# Altium PCB 400150.PcbDoc (part 3 of 3)
Units mil, origin at the board's own origin, x right, y up, seen from the top; angles counter-clockwise.
Board outline 4000 x 2500 mil, 4 copper layers (Top Layer, Mid-Layer 1, Mid-Layer 2, Bottom Layer), stack 62.293 mil thick; 207 components, 157 nets, 929 pads, 624 vias.
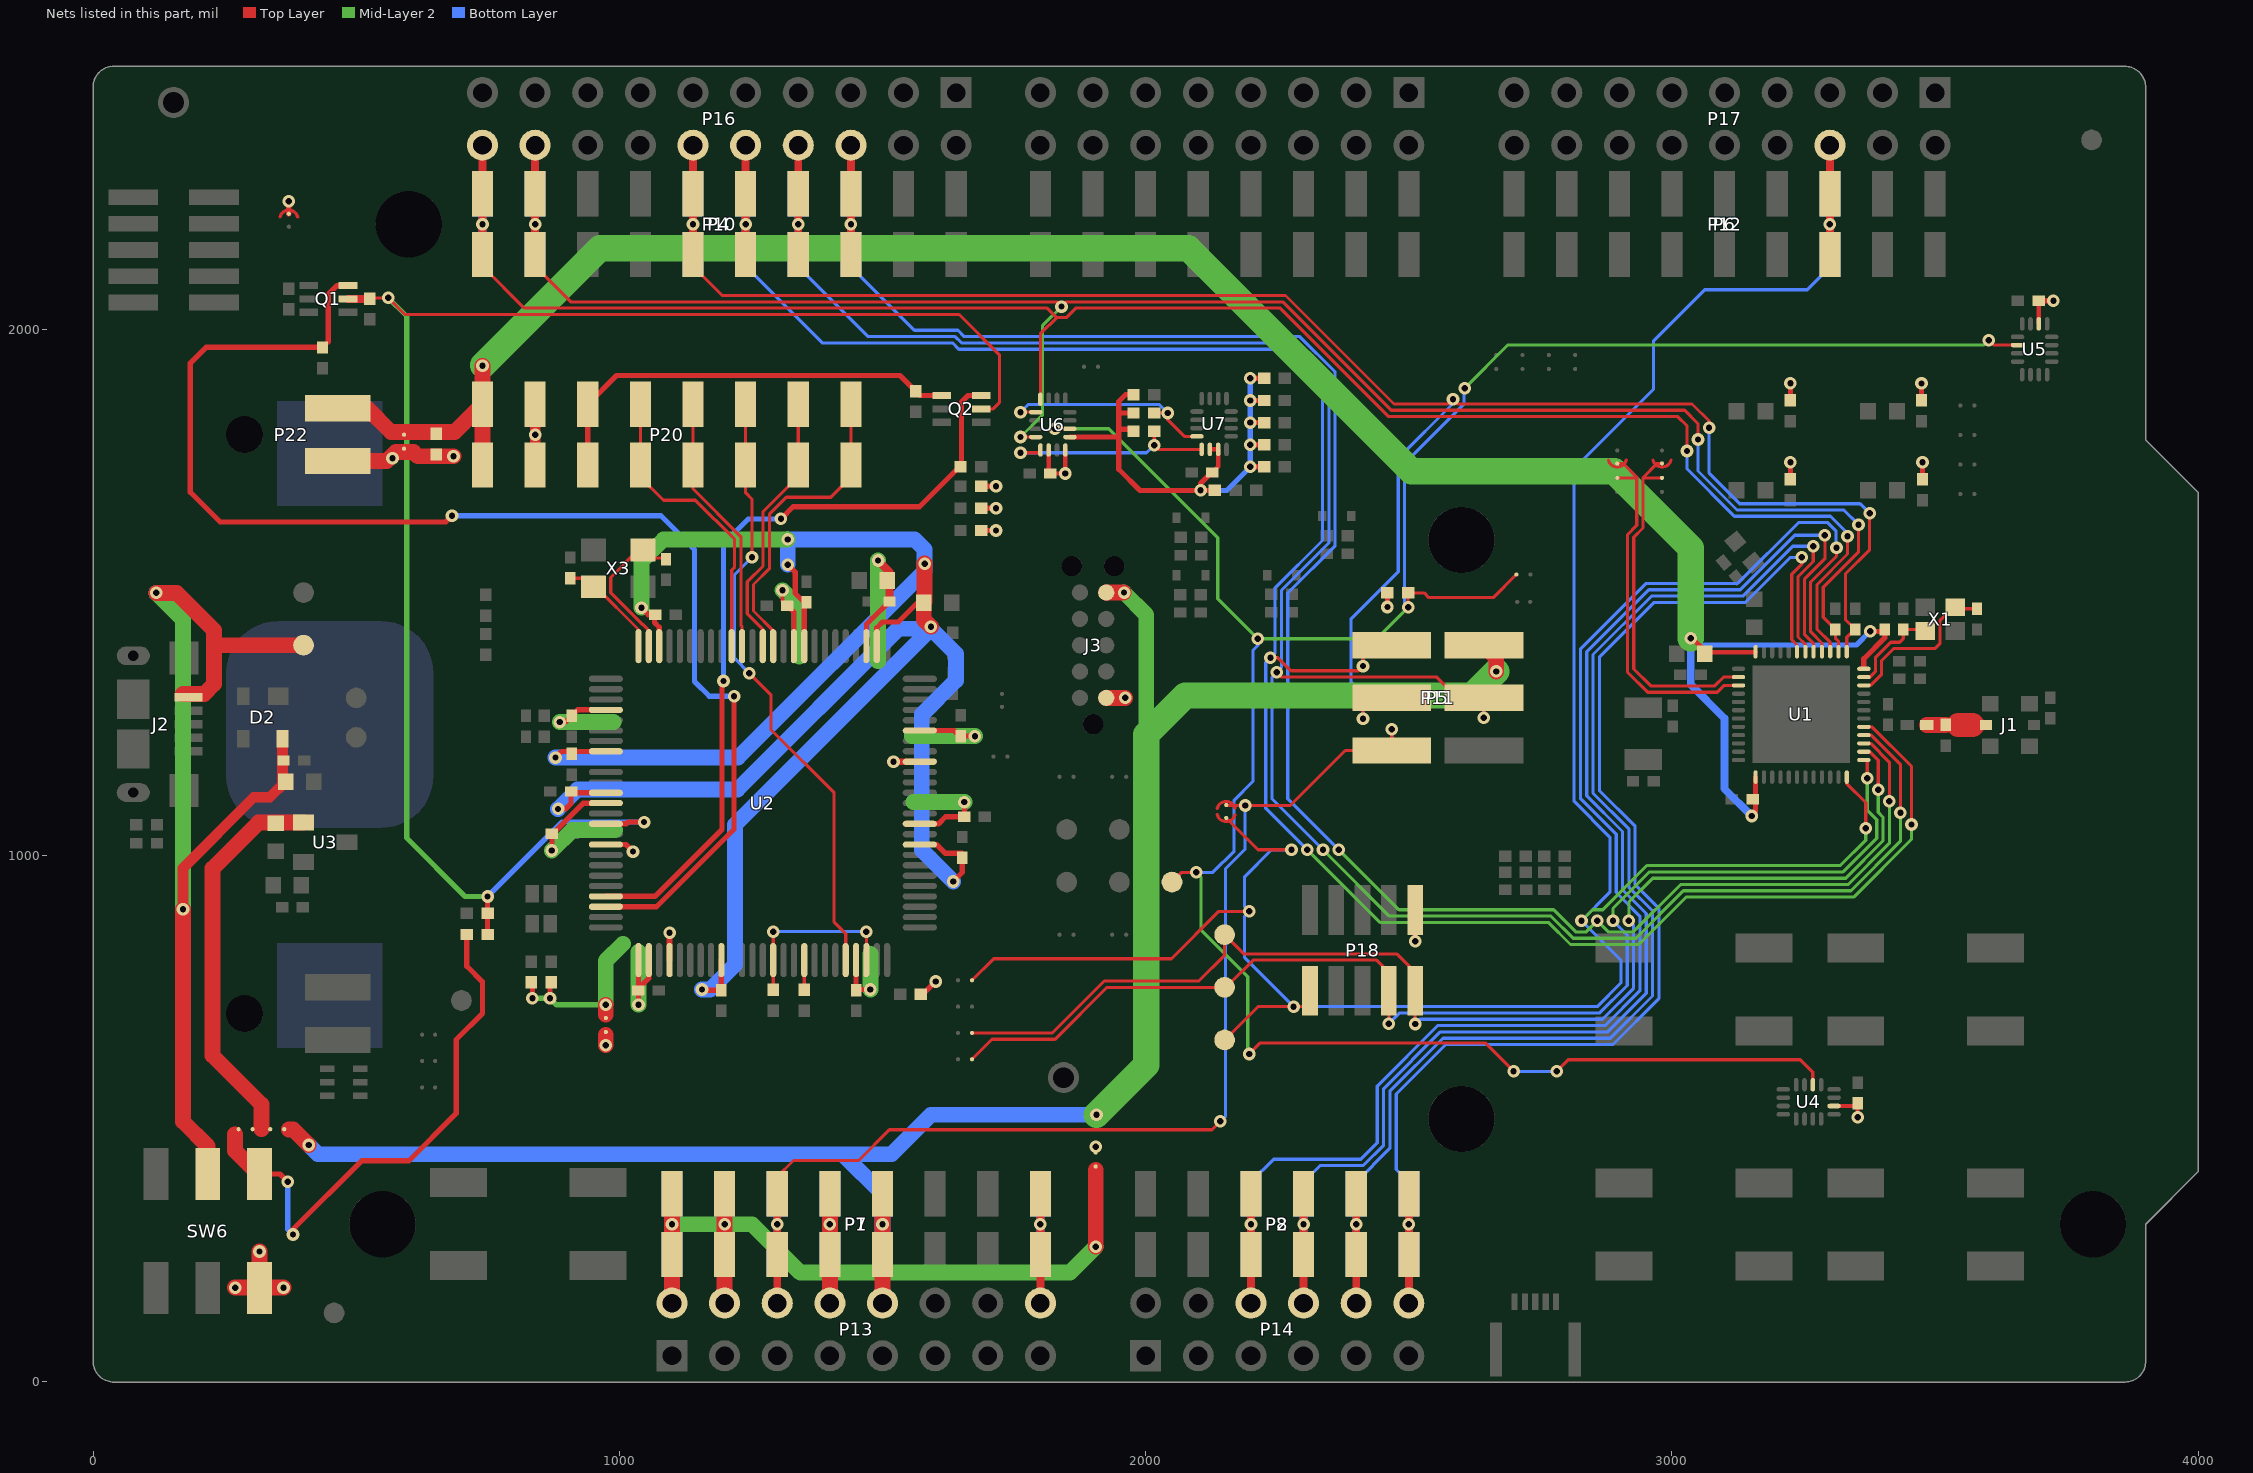
[diagram p5: the nets of this part, all layers, seen from the top]

## Via types
v1: diameter 24, hole 12, Top Layer to Bottom Layer, tented both sides, 587 vias
v2: diameter 24, hole 12, Top Layer to Bottom Layer, 21 vias
v3: diameter 25.98, hole 12.99, Top Layer to Bottom Layer, tented both sides, 16 vias

## Nets (pads, with @x,y where several pads share a name; then routed paths per layer and width w, separated by ;. In a path a pad name is that pad's centre, name@x,y a point inside that pad or via, vN(x,y) a via of type N, cw(c..) or ccw(c..) an arc to the next point about the centre after c; other vN are vias at no path point) (continued)
P0.21: P6.3 P12.3 P17.6 P18.10 SB17.2 SB27.1 TP11.1 U1.24 | length 4804.7
  Top Layer w6: SB27.1@1670.02,763 1711.02,804 2049,804 2139,894 v1(2197,894) ; TP11.1@2150,649.6 2213.4,713 v1(2281,713) P18.10@2312,713 ; SB17.2@2153,1071.4 2213.4,1011 v1(2277,1011) ; U1.24@3332.08,1149.07 3332.08,1136.61 3368,1100.69 v1(3368,1052)
  Top Layer w15: P6.3@3300,2141.92 v1(3300,2199.6) P6.3@3300,2257.28 P17.6@3300,2349.6
  Mid-Layer 2 w6: v1(2828,876) 2849,897 2868.31,897 2952.31,981 3320,981 3368,1029 v1(3368,1052)
  Bottom Layer w6: v1(2277,1011) 2239,1011 2188,960 2188,903 v1(2197,894) 2188,885 2188,806 v1(2281,713) 2858.03,713 2903,757.97 2903,801 v1(2828,876) 2882,930 2882,1035 2814,1103 2814,1735.31 2965,1886.31 2965,1978.04 3061.96,2075 3257,2075 3300,2118 P12.3@3300,2141.92
  Bottom Layer w15: P12.3@3300,2141.92 v1(3300,2199.6) P12.3@3300,2257.28
P0.22: P4.3 P10.3 P16.6 U1.27 | length 3780
  Top Layer w6: U1.27@3364.56,1213.04 3377.32,1213.04 3413,1177.36 v1(3413,1103.03)
  Top Layer w15: P4.3@1440,2118.6 v1(1440,2199.6) P4.3@1440,2257.28 P16.6@1440,2349.6
  Mid-Layer 2 w6: v1(2367,1011) 2481,897 2775,897 2817,855 2837,855 v1(2858,876) 2879,855 2926.74,855 3016.74,945 3335,945 3413,1023 v1(3413,1103.03)
  Bottom Layer w6: P10.3@1440,2141.92 1440,2118.6 1560.6,1998 1643.38,1998 1655.38,1986 2292.62,1986 2360,1918.62 2360,1799 ; 2360,1806.16 2360,1588.73 2270,1498.73 2270,1107.88 v1(2367,1011)
  Bottom Layer w15: P10.3@1440,2141.92 v1(1440,2199.6) P10.3@1440,2257.28
P0.23: P4.4 P5.4 P10.4 P11.4 P16.8 U1.28 | length 4457.1
  Top Layer w6: v1(2249,1348) 2258,1339 2553,1339 2592.4,1299.6 P5.4@2642.5,1299.6 v1(2642.5,1261.6) ; U1.28@3364.56,1228.79 3378.54,1228.79 3434,1173.33 v1(3434,1081.03)
  Top Layer w15: P4.4@1340,2118.6 v1(1340,2199.6) P4.4@1340,2257.28 P16.8@1340,2349.6
  Mid-Layer 2 w6: v1(2337,1011) 2463,885 2770.03,885 2812.03,843 2931.71,843 3021.71,933 3340.03,933 3434,1026.97 v1(3434,1081.03)
  Bottom Layer w6: P10.4@1340,2141.92 1340,2118.6 1472.6,1986 1638,1986 1650,1974 2287.65,1974 2348,1913.65 2348,1799 ; v1(2337,1011) 2240,1108 2240,1339 v1(2249,1348) 2258,1357 2258,1503.71 2348,1593.71 2348,1811.14 ; v1(2642.5,1261.6) 2642.5,1299.6 P11.4@2666.22,1299.6
  Bottom Layer w15: P10.4@1340,2141.92 v1(1340,2199.6) P10.4@1340,2257.28
P0.24: P4.5 P5.1 P10.5 P11.1 P16.10 U1.29 | length 4378.7
  Top Layer w6: v1(2237,1376) 2250.82,1376 2275.82,1351 2404,1351 v1(2413,1360) P5.1@2413,1399 ; U1.29@3364.56,1244.54 3379.76,1244.54 3455,1169.3 v1(3455,1059.03)
  Top Layer w15: P4.5@1240,2119.6 v1(1240,2199.6) P4.5@1240,2257.28 P16.10@1240,2349.6
  Mid-Layer 2 w6: v1(2307,1011) 2445,873 2765.06,873 2807.06,831 2936.68,831 3026.68,921 3345,921 3455,1031 v1(3455,1059.03)
  Bottom Layer w6: P10.5@1240,2141.92 1240,2119.6 1385.6,1974 1633.03,1974 1645.03,1962 2282.68,1962 2336,1908.68 2336,1799 ; v1@2237,1375 v1(2237,1376) ; v1(2307,1011) 2228,1090 2228,1367 v1(2237,1376) ; 2336,1816.11 2336,1598.68 2246,1508.68 2246,1385 v1(2237,1376) ; v1(2413,1360) P11.1@2413,1400
  Bottom Layer w15: P10.5@1240,2141.92 v1(1240,2199.6) P10.5@1240,2257.28
P0.25: C52.1 P4.6 P5.3 P10.6 P11.3 P16.12 U1.37 | length 3921.4
  Top Layer w6: P4.6@1140,2119.6 1195.6,2064 2265.71,2064 2471.71,1858 2575,1858 v1(2584,1867) 2593,1858 3038,1858 3070.46,1825.54 v1(3070.46,1812.54) ; v1(2413,1260) P5.3@2413,1298 ; U1.37@3332.08,1387.25 3332.08,1414.79 C52.1@3347.62,1430.32 ; C52.1@3348.46,1429.48 C52.1@3347.62,1430.32 ; v1(3375.46,1650.54) 3375.46,1580.89 3329.46,1534.89 3329.46,1448.48 C52.1@3347.62,1430.32
  Top Layer w15: P4.6@1140,2119.6 v1(1140,2199.6) P4.6@1140,2257.28 P16.12@1140,2349.6
  Bottom Layer w6: v1(2413,1260) P11.3@2413,1298 ; P11.3@2420.19,1299.6 P11.3@2443.78,1299.6 2420.4,1299.6 2390,1330 2390,1449 2480,1539 2480,1754.87 2584,1858.87 v1(2584,1867) ; v1(3070.46,1812.54) 3070.46,1726.51 3128.44,1668.54 3357.46,1668.54 v1(3375.46,1650.54)
  Bottom Layer w15: P10.6@1140,2141.92 v1(1140,2199.6) P10.6@1140,2257.28
P0.26: C53.1 P4.9 P10.9 P16.18 U1.38 U6.12 | length 3713.5
  Top Layer w6: P4.9@840,2119.6 907.6,2052 1831,2052 v1(1840,2043) 1849,2052 2260.68,2052 2466.68,1846 3024,1846 3049.46,1820.54 v1(3049.46,1790.54) ; v1(1762.14,1795.15) U6.12@1791.14,1795.15 ; U1.38@3316.33,1387.25 3316.33,1407.29 3310.46,1413.17 C53.1@3310.46,1429.48 3287.46,1452.48 3287.46,1509.86 3354.46,1576.87 v1(3354.46,1628.54)
  Top Layer w15: P4.9@840,2119.6 v1(840,2199.6) P4.9@840,2257.28 P16.18@840,2349.6
  Mid-Layer 2 w6: v1(1762.14,1795.15) 1804.31,1837.31 1804.31,2007.31 v1(1840,2043)
  Bottom Layer w6: v1(3049.46,1790.54) 3049.46,1730.54 3123.46,1656.54 3326.46,1656.54 v1(3354.46,1628.54)
  Bottom Layer w15: P10.9@840,2141.92 v1(840,2199.6) P10.9@840,2257.28
P0.27: P4.10 P10.10 P16.20 U1.39 U6.8 | length 3639.1
  Top Layer w6: P4.10@740,2119.6 819.6,2040 1812.82,2040 1830.82,2022 ; U6.8@1800,1867 1800,1991.18 1830.82,2022 ; v1(3028.46,1768.54) 3028.46,1816.54 3011,1834 2461.71,1834 2255.71,2040 1867,2040 1849,2022 1830.82,2022 ; U1.39@3300.58,1387.25 3300.58,1404.98 3275.46,1430.1 3275.46,1514.83 3333.46,1572.84 v1(3333.46,1606.54)
  Top Layer w15: P4.10@740,2119.6 v1(740,2199.6) P4.10@740,2257.28 P16.20@740,2349.6
  Bottom Layer w6: v1(3028.46,1768.54) 3028.46,1734.56 3118.49,1644.54 3301.13,1644.54 3333.46,1612.2 v1(3333.46,1606.54)
  Bottom Layer w15: P10.10@740,2141.92 v1(740,2199.6) P10.10@740,2257.28
P0.28: P2.3 P8.3 P14.6 U1.40 | length 2844.9
  Top Layer w6: U1.40@3284.83,1387.25 3284.83,1403.75 3263.46,1425.13 3263.46,1519.8 3312.46,1568.81 v1(3312.46,1584.54)
  Top Layer w15: P14.6@2200,149.6 P2.3@2200,241.92 v1(2200,299.6) P2.3@2200,357.28
  Bottom Layer w6: P8.3@2200,357.28 2200,380 2243,423 2408.68,423 2440,454.32 2440,562 2555,677 2872.94,677 2939,743.06 2939,884.82 2894,929.82 2894,1040.76 2826,1108.76 2826,1392 2951,1517 3124.7,1517 3240.23,1632.54 3296.16,1632.54 3311.46,1617.23 3311.46,1585.54 v1(3312.46,1584.54)
  Bottom Layer w15: P8.3@2200,241.92 v1(2200,299.6) P8.3@2200,357.28
P0.29: P2.4 P8.4 P14.8 U1.41 | length 2689.6
  Top Layer w6: U1.41@3269.09,1387.25 3269.09,1402.53 3251.46,1420.16 3251.46,1524.77 3290.46,1563.78 v1@3290.46,1605.54
  Top Layer w15: P14.8@2300,149.6 P2.4@2300,241.92 v1(2300,299.6) P2.4@2300,357.28
  Bottom Layer w6: P8.4@2300,379.6 2331.4,411 2413.68,411 2452,449.32 2452,557 2560,665 2877.91,665 2951,738.09 2951,889.79 2906,934.79 2906,1045.74 2838,1113.74 2838,1386.94 2956.06,1505 3129.67,1505 3233.2,1608.54 v1(3290.46,1608.54)
  Bottom Layer w15: P8.4@2300,241.92 v1(2300,299.6) P8.4@2300,379.6
P0.30: P2.5 P8.5 P14.10 U1.42 | length 2536.6
  Top Layer w6: U1.42@3253.34,1387.25 3253.34,1401.31 3239.46,1415.19 3239.46,1529.74 3268.46,1558.75 v1(3268.46,1587.54) v1@3268.46,1588.54
  Top Layer w15: P14.10@2400,149.6 P2.5@2400,241.92 v1(2400,299.6) P2.5@2400,357.28
  Bottom Layer w6: P8.5@2400,379.6 2464,443.6 2464,552.03 2564.97,653 2882.88,653 2963,733.12 2963,894.76 2918,939.76 2918,1050.71 2850,1118.71 2850,1381.97 2961.03,1493 3134.64,1493 3229.17,1587.54 v1(3268.46,1587.54)
  Bottom Layer w15: P8.5@2400,241.92 v1(2400,299.6) P8.5@2400,379.6
P0.31: P2.6 P8.6 P14.12 U1.43 | length 2446.7
  Top Layer w6: U1.43@3237.59,1387.25 3237.59,1400.09 3227.46,1410.22 3227.46,1534.71 3246.46,1553.72 v1(3246.46,1566.54)
  Top Layer w15: P14.12@2500,149.6 P2.6@2500,241.92 v1(2500,299.6) P2.6@2500,357.28
  Bottom Layer w6: P8.6@2500,357.28 2500,379.6 2476,403.6 2476,547.06 2569.94,641 2887.85,641 2975,728.15 2975,899.73 2930,944.73 2930,1055.68 2862,1123.68 2862,1377 2966,1481 3139.61,1481 3225.15,1566.54 v1(3246.46,1566.54)
  Bottom Layer w15: P8.6@2500,241.92 v1(2500,299.6) P8.6@2500,357.28
PB5: Q2.3 R10.2 U2.97 | length 1490
  Top Layer w10: U2.97@974.38,922.43 1067.83,922.43 1195,1049.6 1195,1328.6 v1(1198,1331.6) ; v1(1307,1639.6) 1330,1662.6 1570.28,1662.6 R10.2@1645.75,1738.07 ; R10.2@1650,1739.77 1650,1861.6 1662.59,1874.19 Q2.3@1687.4,1874.19
  Bottom Layer w10: v1(1198,1331.6) 1198,1592.6 1245,1639.6 v1(1307,1639.6)
PB6: Q1.3 R11.2 U2.98 | length 2568
  Top Layer w10: R11.2@436,1965.29 R11.2@436.31,1965.6 ; Q1.3@484.4,2083.19 463.59,2083.19 447,2066.6 447,1976.29 R11.2@436.31,1965.6 ; v1(682,1645.6) 670,1633.6 241.68,1633.6 185,1690.28 185,1935.6 215,1965.6 R11.2@436.31,1965.6 ; U2.98@974.38,902.75 1070.78,902.75 1218,1049.97 v1(1218,1302.6) ; v1@1221,1302.6 v1@1221,1304.6
  Bottom Layer w10: v1(682,1645.6) 1079,1645.6 1143,1581.6 1143,1330.6 1171,1302.6 v1@1217,1302.6
RESET_PIN: P1.3 P5.5 P7.3 P11.5 P13.6 SB17.1 | length 2297.9
  Top Layer w6: P1.3@1300,357.28 1300,389.6 1331,420.6 1454.6,420.6 1513,479 2126,479 v1(2142,495) ; SB17.1@2154,1095 2167.61,1095 v1(2189,1095) 2274.9,1095 2379.5,1199.6 P5.5@2467.5,1199.6 ; P5.5@2467.69,1199.79 v1(2467.69,1240)
  Top Layer w15: P13.6@1300,149.6 P1.3@1300,241.92 v1(1300,299.6) P1.3@1300,357.28
  Bottom Layer w6: v1(2142,495) 2152,505 2152,975.32 2189,1012.32 v1(2189,1095) ; P11.5@2467.69,1199.6 v1(2467.69,1240)
  Bottom Layer w15: P7.3@1300,241.92 v1(1300,299.6) P7.3@1300,357.28
RF: C13.1 J1.1 L1.2 | length 62.9
  Top Layer w20: C13.1@3519.87,1248.16 C13.1@3520,1248.29
  Top Layer w30: L1.2@3484.17,1248.16 C13.1@3519.87,1248.16
  Top Layer w45: 3543.87,1248.16 3570.87,1248.16
SCL_EXT: R30.1 U6.9 U7.12 | length 428.2
  Top Layer w6: v1(1762.14,1842.39) U6.9@1791.14,1842.39 ; R30.1@2016.31,1840.77 v1(2041.94,1840.77) 2041.94,1828 2073.56,1796.38 U7.12@2097.45,1796.38
  Bottom Layer w6: v1(1762.14,1842.39) 1776.52,1856.77 2025.39,1856.77 ; 2025.71,1857 v1(2041.94,1840.77)
SDA_EXT: R29.1 U6.13 U7.13 | length 417.5
  Top Layer w6: v1(1762.14,1765.15) U6.13@1800.14,1765.15 ; R29.1@2016.31,1805.77 v1(2016.31,1779.77) 2024.31,1771.77 U7.13@2106.31,1771.77
  Bottom Layer w6: v1(1762.14,1765.15) 2001.68,1765.15 v1(2016.31,1779.77)
SH_GND_DETECT: P20.8 U2.62 | length 601.1
  Top Layer w6: U2.62@1292.29,1397.83 1292.29,1427.31 1255,1464.6 1255,1514.92 1285,1544.92 1285,1648.2 1317.4,1680.6 1402,1680.6 1440,1718.6 P20.8@1440,1857.28
SH_RESET: P20.7 U2.63 | length 511.9
  Top Layer w6: U2.63@1272.61,1397.83 1272.61,1430.02 1243,1459.63 1243,1519.89 1273,1549.89 1273,1653.2 1340,1720.2 P20.7@1340,1741.92 P20.7@1340,1857.28
SH_SWDCLK: P20.5 U2.65 | length 498.1
  Top Layer w6: P20.5@1140,1857.28 1140,1696.6 1231,1605.6 1231,1437.69 1233.24,1435.45 U2.65@1233.24,1397.83
SH_SWDIO: P20.4 U2.66 | length 567.7
  Top Layer w6: P20.4@1040,1741.92 1040,1718.88 1083.84,1675.04 1144.56,1675.04 1219,1600.6 1219,1548.04 1213.55,1542.59 U2.66@1213.55,1397.83 ; P20.4@1040,1745.6 P20.4@1040,1857.28
SH_SWO: P20.6 U2.21 | length 1162
  Top Layer w6: P20.6@1240,1857.28 P20.6@1240,1741.92 1240,1689.04 1252,1677.04 v1(1252,1566.92) ; v1(1247,1346.6) 1288,1305.6 1288,1239.57 1408,1119.57 1408,873.6 1430.09,851.51 U2.21@1430.09,801.37
  Bottom Layer w6: v1(1247,1346.6) 1219,1374.6 1219,1533.92 v1(1252,1566.92)
SH_VTG: P20.3 Q2.4 R9.1 | length 941.6
  Top Layer w6: P20.3@940,1741.92 P20.3@940,1857.28
  Top Layer w10: P20.3@940,1741.92 P20.3@940,1857.28 994.72,1912 1533.28,1912 R9.1@1563,1882.29 1571.09,1874.19 Q2.4@1612.6,1874.19
SHIELD_DETECT: R39.1 SB19.2 TP15.1 U4.2 U5.2 U6.2 | length 4866.8
  Top Layer w6: v1(1827.52,1810.9) U6.2@1856.1,1810.9 ; TP15.1@2050,949.6 2068.4,968 v1(2096,968) ; v1(2197,623) 2218,644 2644.99,644 v1(2699,590) ; v1(2499,1472) 2498.69,1472.31 R39.1@2498.69,1499 2529,1499 2538,1490 2660.4,1490 SB19.2@2704.4,1534 ; v1(2781,590) 2803,612 3243.66,612 3267.54,588.12 U4.2@3267.54,564.48 ; v1(3602,1979) 3611,1970 3656.39,1970 U5.2@3656.52,1969.87
  Mid-Layer 2 w6: v1(1827.52,1810.9) 1930.1,1810.9 2137,1604 2137,1488 v1(2213,1412) 2439,1412 v1(2499,1472) ; v1(2096,968) 2105,959 2105,859 2194,770 2194,626 v1(2197,623) ; v1(2606,1888) 2688,1970 3593,1970 v1(3602,1979)
  Bottom Layer w6: v1(2096,968) 2127.71,968 2168,1008.29 2168,1105 2204,1141 2204,1390 2213,1399 v1(2213,1412) ; v1(2499,1472) 2492,1479 2492,1745.3 2605,1858.3 2605,1887 v1(2606,1888) ; v1(2699,590) v1(2781,590)
SWDCLK: P18.4 SB21.1 TP10.1 U1.25 | length 2327.9
  Top Layer w6: SB21.1@1670.02,613 1708.02,651 1827.97,651 1926.57,749.6 TP10.1@2150,749.6 2152.6,749.6 2204.23,801.23 2438.77,801.23 2462,778 P18.4@2462,746.23 ; v1(2462,680.23) P18.4@2462,743 ; v1(3371,1147.03) U1.25@3371,1182.03
  Mid-Layer 2 w6: v1(2888,876) 2888,899.69 2957.31,969 3325.03,969 3389,1032.97 3389,1068 3371,1086 v1(3371,1147.03)
  Bottom Layer w6: v1(2462,680.23) 2482.77,701 2863,701 2915,753 2915,849 v1(2888,876)
SWDIO: P18.2 SB20.1 TP9.1 U1.26 | length 2399
  Top Layer w6: SB20.1@1670.02,663 1823,663 1921.6,761.6 2101,761.6 2150,810.6 TP9.1@2150,849.6 ; TP9.1@2150.3,849.3 2186.37,813.23 2476.77,813.23 2512,778 P18.2@2512,746.23 ; v1(2512,680) P18.2@2512,743 ; U1.26@3364.56,1197.29 3375.97,1197.29 3392,1181.26 v1(3392,1125.03)
  Mid-Layer 2 w6: v1(2918,876) 2918,911.69 2963.31,957 3330.03,957 3401,1027.97 3401,1072.97 3392,1081.97 v1(3392,1125.03)
  Bottom Layer w6: v1(2512,680) 2521,689 2867.97,689 2927,748.03 2927,867 v1(2918,876)
TCKOUT: R16.1 U2.14 U2.23 | length 329.6
  Top Layer w6: 1292.29,756.97 U2.14@1292.29,801.37 v1(1292.29,855.37) ; v1(1469.29,855.37) 1469.29,801.84 1469.61,801.52 U2.23@1469.46,801.37
  Bottom Layer w6: v1(1292.29,855.37) v1(1469.29,855.37)
TMSOUT: R15.1 U2.17 | length 56.7
  Top Layer w6: R15.1@1351.35,744.69 U2.17@1351.35,801.37
USB_DETECT: Q1.2 Q2.2 R7.1 R44.1 R45.2 U2.90 | length 3155.5
  Top Layer w6: R7.1@526,2058.29 527.32,2059.6 v1(561,2059.6) 592.6,2028 1645.6,2028 1722.17,1951.43 1722.17,1860.64 1710.13,1848.6 Q2.2@1687.4,1848.6
  Top Layer w10: R44.1@749.69,850 v1(749.69,922.29) ; U2.90@974.38,1060.23 1013.1,1060.23 1016.47,1063.6 v1(1047,1063.6)
  Top Layer w15: Q1.2@484.4,2057.6 R7.1@525.32,2057.6
  Mid-Layer 2 w10: v1(561,2059.6) 596,2024.6 596,1033.4 707.11,922.29 v1(749.69,922.29)
  Bottom Layer w10: v1(749.69,922.29) 891,1063.6 v1(1047,1063.6)
V5V: J3.5 P1.5 P5.2 P7.5 P11.2 P13.10 SB34.1 | length 4011.9
  Top Layer w30: 372.5,479.55 380.45,479.55 v1(410,450) ; P13.10@1500,149.6 P1.5@1500,241.92 v1(1500,299.6) P1.5@1500,357.28 ; J3.5@1925,1499.6 v1@1958,1499.6 ; P5.2@2642.5,1399.6 2666.22,1375.88 v1(2666.22,1349.82)
  Mid-Layer 2 w30: v1(1959,1499.6) 2001,1457.6 2001,1138
  Mid-Layer 2 w50: v1(1906.6,507.6) 2001,602 2001,1230 2075,1304 2620.4,1304 v1(2666.22,1349.82)
  Bottom Layer w30: v1(410,450) 427.4,432.6 1424.68,432.6 ; P7.5@1500,241.92 v1(1500,299.6) P7.5@1500,357.28 1424.68,432.6 ; v1(1906.6,507.6) 1592,507.6 1517,432.6 1424.68,432.6 ; v1(2666.22,1349.82) P11.2@2666.22,1399.6
VBUS: C20.2 C21.2 D2.4 J2.1 SW6.5 TP3.1 | length 2047.6
  Top Layer w20: v1(171,898) 171,976 305.6,1110.6 336.03,1110.6 C20.2@366.03,1140.6 ; C20.2@360.01,1137.61 D2.4@360.01,1222.25
  Top Layer w30: v1(120,1499) 159,1499 230,1428 230,1325.76 211.24,1307 J2.1@171,1307 ; v1(171,898) 171,494.6 218,447.6 SW6.5@218,394.87 ; 231.4,1399.6 TP3.1@400,1399.6
  Mid-Layer 2 w30: v1(120,1499) 171,1448 v1(171,898)
VBUS': R44.2 SB33.1 SW6.6 | length 1044.6
  Top Layer w10: SW6.6@313.71,394.87 SW6.6@316.43,394.87 355.13,394.87 v1(370,380) ; v1(380,280) 380,290 510,420 600,420 690,510 690,650 740,700 740,760 710.31,789.69 R44.2@710.31,850
  Top Layer w30: 269.65,470.45 269.65,438.93 SW6.6@313.71,394.87
  Bottom Layer w10: v1(370,380) 370,290 v1(380,280)
VCORE: C25.2 C27.2 C31.2 C34.2 C36.1 C39.2 C40.2 U2.9 U2.34 U2.52 U2.59 U2.73 U2.83 U2.87 | length 4851.6
  Top Layer w10: v1(878.61,1186.13) 890.08,1197.6 U2.83@973.95,1197.6 ; v1(883.61,1088.6) 897.71,1088.6 908.29,1099.18 C40.2@908.29,1121.6 ; C40.2@914.96,1119.28 U2.87@974.38,1119.28 ; v1(1042,1470.6) 1055,1457.6 C36.1@1066.96,1457.6 ; C36.1@1067.92,1457.6 C36.1@1066.96,1457.6 ; U2.73@1075.76,1397.83 1075.76,1433.84 1066.96,1442.64 C36.1@1066.96,1457.6 ; v1(1157,745.6) 1158.31,744.28 C25.2@1193.61,744.28 ; C25.2@1193.87,745.27 U2.9@1193.87,801.37 ; v1(1320,1552.6) 1331,1541.6 1334,1538.6 1334,1498.24 1340,1492.24 C34.2@1353.46,1478.77 ; U2.59@1351.35,1397.83 1351.35,1476.65 C34.2@1353.46,1478.77 ; C34.2@1355.61,1480.91 C34.2@1353.46,1478.77 ; U2.52@1489.14,1397.83 1489.14,1432.71 1500.03,1443.6 1530,1443.6 1567,1480.6 C31.2@1578.43,1480.6 ; U2.34@1570.83,1020.86 1602.35,1020.86 1618.61,1004.6 C27.2@1649.94,1004.6 ; v1(1634.61,950.6) 1651.61,967.6 C27.2@1651.61,995.91 ; C27.2@1650.92,998.28 C27.2@1650.92,1004.6
  Top Layer w30: v1(1580,1554.6) 1580,1482.18 C31.2@1578.43,1480.6 1578.42,1448.18 v1(1592,1434.6)
  Mid-Layer 2 w30: v1(1042,1470.6) 1042,1558.6 1084,1600.6 v1(1320,1600.6)
  Bottom Layer w30: v1(878.61,1186.13) 1225.53,1186.13 1580,1540.6 v1(1580,1554.6) 1580,1581.6 1561,1600.6 v1(1320,1600.6) v1(1320,1552.6) ; v1(883.61,1088.6) 920.61,1125.6 1224.61,1125.6 1530,1430.99 v1@1592,1430.99 ; v1(1157,745.6) 1172.61,745.6 1219.61,792.6 1219.61,1058.6 v1@1592,1430.99 ; v1(1634.61,950.6) 1574.61,1010.6 1574.61,1267.76 1639.61,1332.76 1639.61,1383.39 v1@1592,1430.99
VDD: C44.2 C45.2 C46.2 J3.1 P18.1 P20.2 P22.2 R1.2 R2.2 R3.2 R4.2 R5.2 R6.1 R21.2 R22.2 R23.2 R39.2 SB9.2 SB29.2 SB32.1 SB35.2 SW6.3 U4.14 U5.14 U6.14 U6.16 | length 1203.3
  Top Layer w6: P20.2@840,1728.6 P20.2@840,1741.92
  Top Layer w8: C46.2@1812.75,1730.34 1817.15,1725.94 C46.2@1817.31,1725.78 ; C46.2@1815.75,1729.02 U6.14@1815.75,1770.54 ; C46.2@1818.99,1725.77 v1(1846.99,1725.77) ; v1@1847.24,1725.77 U6.16@1847.24,1770.54 ; U4.14@3307.89,524.13 3352.47,524.13 C44.2@3352.66,524.31 ; v1(3352.66,503) C44.2@3352.66,524.31 ; C44.2@3352.66,529.32 C44.2@3352.66,524.31 ; C45.2@3696.69,2054 3696.87,2053.81 U5.14@3696.87,2010.23
  Top Layer w10: SB32.1@372,2219.3 372,2226.17 v1(372,2243) ; R5.2@1572.69,736.6 1577,736.6 v1(1601,760.6) ; R21.2@1687.53,1617.6 v1(1715.69,1617.6) ; R22.2@1687.53,1659.6 v1(1715.69,1659.6) ; R23.2@1687.53,1701.6 v1(1715.69,1701.6) ; v1(2459.31,1472.31) R39.2@2459.31,1499 ; v1(2512,837) P18.1@2512,896.54 ; R3.2@3225.01,1714.68 v1(3225.01,1746.99) ; R1.2@3225.01,1864.68 v1(3225.01,1897.31) ; R2.2@3474.01,1864.68 v1(3474.01,1896.99) ; R4.2@3476.01,1714.68 v1(3476.01,1746.99) ; C45.2@3696.69,2054 v1(3724.69,2054)
  Top Layer w20: P20.2@840,1741.92 P20.2@840,1857.28
  Top Layer w30: v1(270,179.06) v1(362,179.06) ; SW6.3@316.42,176.35 v1(316.42,247.62) ; P22.2@465,1749.6 558,1749.6 575,1766.6 609,1766.6 617,1758.6 v1(685,1758.6) ; v1(974.38,639.78) 974.38,658.78 ; J3.1@1925,1299.6 v1(1961,1299.6)
  other v1: 1905,446.6 569,1754.6 840,1799.6
VDD_NRF: C5.1 C8.1 C9.1 P20.1 P22.1 R6.2 SB9.1 U1.13 U1.36 U1.48 | length 4376.9
  Top Layer w9: v1(3035.62,1412.92) 3038.89,1412.92 3062.2,1389.62 3065.54,1386.27 U1.48@3158.46,1386.27 ; v1(3151.46,1075.16) 3158.85,1082.55 U1.13@3158.85,1149.07
  Top Layer w10: U1.36@3364.46,1355.85 3364.46,1373.99 3404.46,1413.99 C8.1@3404.46,1429.48 ; v1(3376.46,1426.17) 3377.14,1425.48 C8.1@3404.46,1425.48
  Top Layer w15: C9.1@3062.2,1382.92 C9.1@3062.2,1389.62
  Top Layer w30: P22.1@465,1849.6 521,1849.6 566,1804.6 687.32,1804.6 P20.1@740,1857.28 ; P20.1@740,1741.92 P20.1@740,1857.28 ; v1(740,1930.6) P20.1@740,1857.28
  Mid-Layer 2 w50: v1@741,1931.6 963.4,2154 2081,2154 2505,1730 2890,1730 3035.62,1584.38 v1(3035.62,1412.92)
  Bottom Layer w10: v1(3035.62,1412.92) 3048.39,1400.16 3350.45,1400.16 v1(3376.46,1426.17)
  Bottom Layer w15: v1(3035.62,1412.92) 3035.62,1324.82 3099.52,1260.92 3099.52,1127.11 v1(3151.46,1075.16)
VDD_SAM: C24.2 C26.2 C28.2 C29.2 C32.2 C33.2 C35.2 C38.2 C41.2 R19.2 R20.2 SB29.1 U2.1 U2.2 U2.4 U2.22 U2.36 U2.42 U2.45 U2.53 U2.60 U2.79 U2.88 U2.92 | length 2470.3
  Top Layer w6: U2.88@974.38,1099.6 U2.88@981,1099.6
  Top Layer w8: v1(1310,1503.92) 1310,1483.89 C35.2@1319.29,1474.6
  Top Layer w10: v1@834.87,729.6 R20.2@834.87,758.91 ; v1(868.34,728.91) R19.2@868.34,758.91 ; v1@871.92,1009.6 C41.2@871.92,1041.6 ; C41.2@874.92,1042.91 931.61,1099.6 U2.88@974.38,1099.6 ; v1(886.61,1253.6) 897.92,1253.6 C38.2@909.61,1265.29 ; C38.2@909.92,1265.6 921.09,1276.76 U2.79@974.38,1276.77 ; U2.92@974.38,1020.86 1012.63,1020.86 v1(1025.94,1007.54) ; U2.1@1036.39,801.37 1036.39,743.6 1036.44,743.55 v1(1036.44,716.37) ; C24.2@1036.61,747.6 1056.07,767.06 U2.2@1056.07,801.37 ; C35.2@1319.29,1474.6 1331.66,1462.23 U2.60@1331.66,1397.83 ; C26.2@1449.77,752.12 U2.22@1449.77,801.37 ; C26.2@1451.32,745.6 v1(1477,745.6) ; U2.53@1469.46,1397.83 1469.46,1439.45 1479.8,1449.8 1509.18,1479.17 C32.2@1509.18,1482.6 ; U2.36@1570.83,1060.23 1606.24,1060.23 1619.61,1073.6 C28.2@1654.92,1073.6 1655.61,1074.28 v1(1655.61,1101.6) ; U2.42@1570.83,1178.34 U2.42@1571.57,1177.6 ; U2.45@1570.83,1237.39 1635.81,1237.39 C29.2@1643.29,1229.91 ; C29.2@1648.61,1226.91 v1(1675.61,1226.91)
  Top Layer w12: U2.4@1095.44,801.37 v1(1095.44,853.37) ; v1(1520.83,1178.34) U2.42@1570.83,1178.34
  Top Layer w15: v1(1491.61,1560.6) 1513.29,1538.91 C32.2@1513.29,1482.6
  Top Layer w30: 974.38,697.38 v1(974.38,716.38)
  Mid-Layer 2 w10: v1(834.87,728.91) v1(868.34,728.91) 880.87,716.38 v1(974.38,716.38)
  Mid-Layer 2 w30: v1(871.61,1009.6) 910.35,1048.34 991.83,1048.34 ; v1(886.61,1253.6) 988.83,1253.6 ; v1(974.38,716.38) 974.38,799.88 1006.83,832.34 ; v1(1036.44,716.37) 1036.44,817.34 ; v1(1310,1503.92) 1341.83,1472.09 1341.83,1378.34 ; v1(1477,745.6) 1477,813.34 ; 1491.61,1369.34 v1(1491.61,1560.6) ; 1555.83,1226.91 v1(1675.61,1226.91) ; 1558.83,1101.6 v1(1655.61,1101.6)
VEXT: C47.2 R29.2 R30.2 R31.2 R32.2 R33.2 R34.2 R35.2 R36.2 R37.2 U6.1 U7.14 U7.15 | length 1033.9
  Top Layer w8: U7.14@2122.06,1771.77 U7.15@2137.81,1771.77 2137.81,1738.91 C47.2@2126.68,1727.77
  Top Layer w10: U6.1@1856.1,1795.15 1948.94,1795.15 ; R29.2@1976.94,1805.77 1972.94,1809.77 1952.01,1809.77 1948.94,1812.84 ; R30.2@1976.94,1840.77 1948.94,1840.77 ; R31.2@1976.94,1875.77 1962.17,1875.77 1948.94,1862.54 1948.94,1840.77 ; C47.2@2125.99,1728.46 2104.31,1706.77 v1(2104.31,1693.77) ; R37.2@2131.62,1693.77 v1(2104.31,1693.77) ; v1(2198.94,1738.62) R32.2@2225.25,1738.62 ; v1(2198.94,1780.62) R33.2@2225.25,1780.62 ; v1(2198.94,1822.62) R34.2@2225.25,1822.62 ; v1(2198.94,1864.62) R35.2@2225.25,1864.62 ; v1(2198.94,1906.62) R36.2@2225.25,1906.62 ; 1948.94,1795.15 1948.94,1812.84 ; 1948.94,1795.15 1948.94,1734 1989.16,1693.77 v1(2104.31,1693.77) ; 1948.94,1812.84 1948.94,1840.77
  Bottom Layer w10: v1(2104.31,1693.77) 2154.08,1693.77 v1(2198.94,1738.62) v1(2198.94,1780.62) v1(2198.94,1822.62) v1(2198.94,1864.62) v1(2198.94,1906.62)
VIN: P1.8 P7.8 P13.16 | length 323
  Top Layer w15: P13.16@1800,149.6 P1.8@1800,241.92 v1(1800,299.6) P1.8@1800,357.28
  Bottom Layer w15: P7.8@1800,241.92 v1(1800,299.6) P7.8@1800,357.28
VIO: P1.1 P1.2 P1.4 P7.1 P7.2 P7.4 P13.2 P13.4 P13.8 SB35.1 | length 2127.2
  Top Layer w15: v1(1400,299.6) P1.4@1400,357.28
  Top Layer w30: P13.2@1100,149.6 P1.1@1100,241.92 P1.1@1100,357.28 ; P13.4@1200,149.6 v1(1200,299.6) P1.2@1200,357.28 ; P13.8@1400,149.6 P1.4@1400,357.28 ; v1(1905,256.6) 1905,402.6
  Mid-Layer 2 w30: v1(1100,299.6) v1(1200,299.6) 1252,299.6 1344,207.6 1399,207.6 1856,207.6 v1(1905,256.6) ; 1400,208.6 v1(1400,299.6)
  Bottom Layer w30: P7.1@1100,241.92 P7.1@1100,357.28 ; P7.2@1200,241.92 P7.2@1200,357.28 ; P7.4@1400,241.92 P7.4@1400,357.28
VREG_IN: C16.2 SB33.2 SB34.2 U3.1 | length 742.9
  Top Layer w30: 320,480 320,527 227,620 227,975.17 314.43,1062.6 U3.1@400,1062.6
XC1: C1.1 U1.34 X1.1 | length 316.4
  Top Layer w6: U1.34@3364.56,1323.28 3377.32,1323.28 3398.35,1344.32 3398.35,1370.63 3420.88,1393.16 3499.45,1393.16 3509.46,1403.17 3509.46,1447.17 3531.14,1468.85 C1.1@3579.46,1468.85
XC2: C2.1 U1.35 X1.3 | length 186.4
  Top Layer w6: U1.35@3364.56,1339.03 3375.97,1339.03 3386.35,1349.42 3386.35,1375.74 3415.78,1405.16 3432.46,1405.16 3439.45,1412.15 C2.1@3439.45,1429.17 ; C2.1@3437.46,1429.48 3475.12,1429.48 X1.3@3482.99,1421.61
XIN: C22.1 U2.75 X3.3 | length 201.7
  Top Layer w6: C22.1@906.61,1526.91 934.34,1526.91 X3.3@950.6,1510.66 ; X3.3@950.6,1510.54 955.28,1510.54 1036.39,1429.44 U2.75@1036.39,1397.83
XL1: SB2.2 SB4.1 U1.2 | length 673.2
  Top Layer w6: SB2.2@2981,1717.6 2945.4,1717.6 2945,1718 ; SB4.1@2981,1745 2972,1745 2945,1718 ; U1.2@3126.37,1339.03 3097.75,1339.03 3081.1,1322.37 2959.63,1322.37 2927.46,1354.54 2927.46,1604.68 2945,1622.22 2945,1718
XL2: SB1.2 SB3.1 U1.3 | length 693.2
  Top Layer w6: SB1.2@2896,1717.6 2931.6,1717.6 ; SB3.1@2896,1745 2907,1745 2933,1719 2933,1627.19 2915.46,1609.65 2915.46,1348.54 2953.63,1310.37 3086.07,1310.37 3098.98,1323.28 U1.3@3126.37,1323.28
XOUT: C23.1 U2.74 X3.1 | length 294
  Top Layer w6: U2.74@1056.07,1397.83 1056.07,1427.53 1050,1433.6 1044.29,1439.31 1043.48,1439.31 983.61,1499.19 983.61,1528.21 1036.06,1580.66 X3.1@1044.61,1580.66 1059.99,1565.28 C23.1@1088.61,1565.28
pads on no net: Bat1.0 Fid1.0 Fid2.0 J2.4 J2.6@76.53,1119.68 J2.6@76.53,1379.52 J3.0 J3.7 J3.9 P18.7 P18.8 P19.7 P19.8 P21.0 P22.0 P23.0 P23.1 P23.3 P23.5 SW6.1 SW6.4 U1.44 U2.6 U2.8 U2.10 U2.11 U2.13 U2.15 U2.16 U2.19 U2.25 U2.26 U2.28 U2.29 U2.30 U2.31 U2.32 U2.33 U2.37 U2.44 U2.48 U2.49 U2.50 U2.58 U2.64 U2.69 U2.86 U2.93 U2.94 U2.95 U2.96 U2.99 U2.100 U4.10 U5.10 U6.3 U6.7 U6.10 U6.11 U6.15

## Polygon pours and split planes (outlines as drawn)
GND on Top Layer "Top_Layer-GND" (solid, remove dead copper, pour order 12): -140.68,-93.7 -140.68,2627.01 -132.15,2642.83 4042.07,2642.83 4052.73,2662.6 4052.73,-85.79 4057,-93.7
VDD on Mid-Layer 2 "Mid_Layer_2-VDD" (solid, remove dead copper, pour order 10): -104.87,-142.03 -104.87,2619.48 -96.26,2635.53 4116.93,2635.53 4127.69,2655.6 4127.69,-134 4132,-142.03
VDD_SAM on Mid-Layer 2 "NONET_L03_P008" (solid, pour order 8): 962,1408.34 962,788.6 1580.83,788.6 1580.83,1408.34
GND on Mid-Layer 1 "Mid_Layer_1-GND" (solid, remove dead copper, pour order 7): -138.74,-96.93 -138.74,2579.59 -129.94,2595.15 4177.59,2595.15 4188.6,2614.6 4188.6,-89.15 4193,-96.93
GND on Bottom Layer "Bottom_Layer-GND" (solid, remove dead copper, pour order 6): -410.29,-103.54 -410.29,2687.09 -400.99,2703.32 4149.72,2703.32 4161.35,2723.6 4161.35,-95.43 4166,-103.54

## Keep-outs
Keep-Out Layer:
  circle w6: c2600,499.6 r94.49
  circle w6: c600,2199.6 r94.49
  circle w6: c2600,1599.6 r94.49
  circle w6: c3800,299.6 r94.49
  circle w6: c550,299.6 r94.49
  lines w10: 3861,-0.4 ccw(c3860.5,39.1) 3900,39.6 3900,299.6 4000,399.6 4000,1689.6 3900,1789.6 3900,2459.6 ccw(c3860,2459.6) 3860,2499.6 40,2499.6 ccw(c39.5,2460.1) 0,2460.6 0,39.6 ccw(c40,39.6) 40,-0.4 3862,-0.4
Mechanical 2:
  lines w1: 209,1333.56 293,1333.56 ; 217,1208.6 411.61,1208.6 428.78,1191.43 527.44,1191.43 ccw(c527.44,1234.88) 558.16,1204.16 703.61,1349.6 cw(c741.44,1311.77) 741.44,1365.27 764.61,1365.27 ; 390,1333.56 467.04,1333.56 ccw(c467.04,1356.56) 483.3,1340.3 634.85,1491.85 cw(c686.61,1440.1) 686.61,1513.29 ; 686.61,1513.6 927.61,1513.6 cw(c927.61,1465.32) 961.75,1499.46 1059.68,1401.53 ; 764.11,1365.27 cw(c764.11,1316.99) 798.25,1351.13 896.18,1253.2 ; 997.8,1252.14 ccw(c997.8,1339.64) 1059.67,1401.52

## Other copper
Top Layer:
  rectangle net VREG_IN: 297.2,460.3 343.8,499.35
  rectangle net ANT: 3937,537.6 3987,567.6
  pour cut-out: 388.18,1344.3 463.55,1344.3 ccw(c463.55,1356.93) 472.48,1348 524.07,1399.59 562.48,1399.59 562.48,1197 cw(c523.48,1237.21) 522.58,1181.2 439.71,1181.2 cw(c439.71,1217.72) 413.88,1191.9 ccw(c395.09,1173.16) 395.05,1199.7 213.48,1199.7 213.48,1344.41 289.58,1344.41 291.78,1344 293.88,1343.3 295.67,1342.28 297.38,1340.9 298.58,1339.1 299.28,1337.4 299.48,1335.6 299.48,1286.4 368.28,1286.4 368.28,1324.4 cw(c388.18,1324.4)
  pour cut-out: 623.6,1499.24 cw(c682.99,1439.86) 683,1523.85 830,1523.85 830,1356.49 732.53,1356.28 ccw(c739.32,1314.79) 706.85,1341.5 662,1296.65 623.6,1296.65
  pour cut-out: 718.57,1523.99 911.38,1524 cw(c911.42,1424.16) 982.09,1494.71 1066.11,1410.69 cw(c995.6,1340.09) 1095.4,1339.98 1095.4,1329.4 cw(c1008.4,1329.4) 1008.4,1242.4 921.4,1242.4 cw(c921.38,1305.88) 876.5,1261 793.29,1344.21 ccw(c763,1314.01) 762.9,1356.8 718.13,1356.8 cw(c5092.8,1428.82)
  pour cut-out: 2383,1217.6 2680.03,1217.6 2679.97,1287.6 2383,1287.6
  pour cut-out: 3739.97,-50.4 4010.28,-50.4 4008.77,1787.6 3740.14,1787.6
  pour cut-out: 372,1318.6 460,1318.6 460,1251.6 372,1251.6
  pour cut-out: 342,730.6 430,730.6 430,560.6 342,560.6
  pour cut-out: -9.02,1110 111.17,1110 110.94,1388.6 -8.99,1388.6
  pour cut-out: 3470.46,1205.16 3362.46,1205.16 3362.46,1319.16 3470.46,1319.16
  pour cut-out: 2264,1601 2326.5,1663.5 2326.5,1598 2306,1577.5 2306,1542.6 2264,1542.6
  pour cut-out: 524.07,1399.59 623.6,1499.11 623.6,1499.24 680.76,1499.24 690,1490 662,1462 662,1296.65 562.48,1197.12 562.48,1197 533,1197 520,1210 520,1370
Mid-Layer 1:
  pour cut-out: 3742.87,1183.16 3386.87,1183.16 3386.87,1313.16 3742.87,1313.16
  pour cut-out: 3739.97,-50.4 4010.28,-50.4 4008.77,1787.6 3740.14,1787.6
Mid-Layer 2:
  pour cut-out: 990.83,792.34 990.83,702.34 1020.83,702.34 1020.83,792.34
  pour cut-out: 3742.87,1183.16 3386.87,1183.16 3386.87,1313.16 3742.87,1313.16
  pour cut-out: 3739.97,-50.4 4010.28,-50.4 4008.77,1787.6 3740.14,1787.6
Bottom Layer:
  pour cut-out: 3739.97,-50.4 4010.28,-50.4 4008.77,1787.6 3740.14,1787.6

## Silkscreen, mask and mechanical layers (free items; w line width, h text height)
Top Overlay:
  drawing of 76 lines, arcs and shapes, not listed
  text "GND" at 420,2429.6 h70
  text "GND" at 3707,2427.6 h70
  text "GND" at 97,2329.6 h70
  text "0256RUBR" at 3851,2068 h60 r90
  text "400150" at 3799.69,2065.44 h80 r90
  text "P0.27" at 760,1963.6 h70 r90
  text "P0.26" at 860,1963.6 h70 r90
  text "P0.02" at 960,1963.6 h70 r90
  text "GND" at 1060,1963.6 h70 r90
  text "P0.25" at 1160,1963.6 h70 r90
  text "P0.24" at 1260,1963.6 h70 r90
  text "P0.23" at 1360,1963.6 h70 r90
  text "P0.22" at 1460,1963.6 h70 r90
  text "P0.20" at 1560,1963.6 h70 r90
  text "P0.19" at 1660,1963.6 h70 r90
  text "P0.18" at 1820,1963.6 h70 r90
  text "P0.17" at 1920,1963.6 h70 r90
  text "P0.16" at 2020,1963.6 h70 r90
  text "P0.15" at 2120,1963.6 h70 r90
  text "P0.14" at 2220,1963.6 h70 r90
  text "P0.13" at 2320,1963.6 h70 r90
  text "P0.12" at 2420,1963.6 h70 r90
  text "P0.10" at 2720,1963.6 h70 r90
  text "P0.09" at 2820,1963.6 h70 r90
  text "P0.08" at 2920,1963.6 h70 r90
  text "P0.07" at 3020,1963.6 h70 r90
  text "P0.06" at 3120,1963.6 h70 r90
  text "P0.05" at 3220,1963.6 h70 r90
  text "P0.21" at 3320,1963.6 h70 r90
  text "P0.01" at 3420,1963.6 h70 r90
  text "P0.00" at 3521,1963.6 h70 r90
  text "Debug out" at 16,1958.6 h80
  text "LED1" at 3065.01,1871.99 h80
  text "LED2" at 3309.01,1871.99 h80
  text "GPIO" at 2756,1735 h60
  text "LED3" at 3060.01,1722.99 h80
  text "LED4" at 3310.01,1722.99 h80
  text "XTAL" at 2756,1685 h60
  text "nRF current" at 143,1638.6 h80
  text "VTG" at 957,1615.98 h55 r90
  text "VDD / nRF" at 778,1613 h55 r90
  text "VDD" at 857,1613.46 h55 r90
  text "(ARDUINO D0) P0.11" at 2521,1608 h70 r90
  text "SWD / IO" at 1083,1604 h55 r90
  text "SWD / CLK" at 1183,1604 h55 r90
  text "SWO" at 1257,1603.53 h55 r90
  text "measurement" at 124,1587.6 h80
  text "RESET" at 1359,1566.98 h55 r90
  text "GND / DETECT" at 1506,1559.6 h55 r90
  text "P0.24" at 2274.31,1380.77 h60
  text "5V" at 2726.31,1378.77 h60
  text "P0.23" at 2726.31,1281.77 h60
  text "P0.25" at 2272.31,1280.77 h60
  text "DETECT" at 2722.84,1183.6 h60
  text "RESET" at 2242.31,1180.77 h60
  text "Button 1" at 2920.89,877.45 h90
  text "Button 2" at 3352.89,877.45 h90
  text "External supply" at 91,814.6 h80
  text "-" at 542,718.6 h70
  text "Debug in" at 2291,630 h80
  text "GND" at 1866,628 h70 r90
  text "+" at 542,618.6 h70
  text "IF BOOT/RESET" at 601,442.6 h80
  text "Button 4" at 3354.89,436.89 h90
  text "Button 3" at 2917.89,436.45 h90
  text "N.C." at 1821,411.6 h70 r90
  text "VDD" at 1116.75,411.47 h70 r90
  text "VDD" at 1216.75,411.47 h70 r90
  text "RESET" at 1316.75,411.47 h70 r90
  text "VDD" at 1416.75,411.47 h70 r90
  text "5V" at 1516.75,411.47 h70 r90
  text "GND" at 1616.75,411.47 h70 r90
  text "GND" at 1716.75,411.47 h70 r90
  text "P0.03 (A0)" at 2016.75,411.47 h70 r90
  text "P0.04" at 2116.75,411.47 h70 r90
  text "P0.28" at 2216.75,411.47 h70 r90
  text "P0.29" at 2316.75,411.47 h70 r90
  text "P0.30" at 2416.75,411.47 h70 r90
  text "P0.31" at 2516.75,411.47 h70 r90
  text "NFC" at 2680.46,187.54 h90
  text "OFF" at 115,73.6 h70
  text "ON" at 250,73.6 h70
  text "GND" at 780,29.6 h70
  text "Power" at 132,19.6 h80
Bottom Overlay:
  drawing of 11657 lines, arcs and shapes, not listed
  text "J-Link" at 363.88,2400.2 h57 r90
  text "www.segger.com" at 409.18,2397 h66 r90
  text "TM" at 347.28,2263.6 h37 r90
  text "Pb" at 3807.28,2257.6 h120 r90
  text "S" at 290.67,2255.2 h53 r90
  text "E" at 290.67,2220.17 h53 r90
  text "Technology" at 363.88,2213.1 h57 r90
  text "G" at 290.67,2189.3 h53 r90
  text "G" at 290.67,2150.3 h53 r90
  text "E" at 290.67,2110 h53 r90
  text "P0.27 (SCL)" at 760,2090.6 h65 r90
  text "P0.26 (SDA)" at 860,2090.6 h65 r90
  text "P0.02 (AREF)" at 960,2090.6 h65 r90
  text "GND" at 1060,2090.6 h65 r90
  text "P0.25 (D13)" at 1160,2090.6 h65 r90
  text "P0.24 (D12)" at 1260,2090.6 h65 r90
  text "P0.23 (D11)" at 1360,2090.6 h65 r90
  text "P0.22 (D10)" at 1460,2090.6 h65 r90
  text "P0.20 (D9)" at 1560,2090.6 h65 r90
  text "P0.19 (D8)" at 1660,2090.6 h65 r90
  text "P0.18 (D7)" at 1820,2090.6 h65 r90
  text "P0.17 (D6)" at 1920,2090.6 h65 r90
  text "P0.16 (D5)" at 2020,2090.6 h65 r90
  text "P0.15 (D4)" at 2120,2090.6 h65 r90
  text "P0.14 (D3)" at 2220,2090.6 h65 r90
  text "P0.13 (D2)" at 2320,2090.6 h65 r90
  text "P0.12 (D1)" at 2420,2090.6 h65 r90
  text "P0.11 (ARDUINO D0)" at 2520,2090.6 h65 r90
  text "P0.10" at 2720,2090.6 h70 r90
  text "P0.09" at 2820,2090.6 h70 r90
  text "P0.08" at 2920,2090.6 h70 r90
  text "P0.07" at 3020,2090.6 h70 r90
  text "P0.06" at 3120,2090.6 h70 r90
  text "P0.05" at 3220,2090.6 h70 r90
  text "P0.21" at 3320,2090.6 h70 r90
  text "P0.00" at 3521,2089.6 h70 r90
  text "P0.01" at 3419,2089.28 h70 r90
  text "R" at 290.67,2077.1 h53 r90
  text "GPIO" at 1112,1791.95 h78.5 r90
  text "GPIO" at 2839,1791.95 h78.5 r90
  text "P0.00" at 1263,1787.09 h75 r90
  text "P0.01" at 1475,1787.09 h75 r90
  text "P0.05" at 1634,1787.09 h75 r90
  text "P0.06" at 1740,1787.09 h75 r90
  text "P0.07" at 1846,1787.09 h75 r90
  text "P0.08" at 1952,1787.09 h75 r90
  text "P0.09" at 2092,1787.09 h75 r90
  text "P0.10" at 2272,1787.09 h75 r90
  text "P0.13" at 2937,1787.09 h75 r90
  text "P0.14" at 3043,1787.09 h75 r90
  text "P0.15" at 3149,1787.09 h75 r90
  text "P0.16" at 3255,1787.09 h75 r90
  text "P0.17" at 3361,1787.09 h75 r90
  text "P0.18" at 3467,1787.09 h75 r90
  text "P0.19" at 3573,1787.09 h75 r90
  text "P0.20" at 3679,1787.09 h75 r90
  text "P0.21" at 3785,1785.09 h75 r90
  text "Function" at 1112,1576.6 h78.5 r90
  text "Function" at 2839,1576.6 h78.5 r90
  text "Button 1" at 2937,1564.09 h75 r90
  text "Button 2" at 3043,1564.09 h75 r90
  text "Button 3" at 3149,1564.09 h75 r90
  text "Button 4" at 3255,1564.09 h75 r90
  text "RESET" at 3784,1539.09 h75 r90
  text "LED 1" at 3361,1519.09 h75 r90
  text "LED 2" at 3467,1519.09 h75 r90
  text "LED 3" at 3573,1519.09 h75 r90
  text "LED 4" at 3679,1519.09 h75 r90
  text "NFC1" at 2093,1518.09 h75 r90
  text "NFC2" at 2273,1517.09 h75 r90
  text "XL1" at 1263,1504.09 h75 r90
  text "XL2" at 1475,1504.09 h75 r90
  text "RTS" at 1634,1504.09 h75 r90
  text "TXD" at 1740,1504.09 h75 r90
  text "CTS" at 1846,1504.09 h75 r90
  text "RXD" at 1952,1504.09 h75 r90
  text "SB13/22" at 1634,1261.09 h75 r90
  text "SB14/23" at 1740,1261.09 h75 r90
  text "SB15/24" at 1846,1261.09 h75 r90
  text "SB16/25" at 1952,1261.09 h75 r90
  text "SB17" at 3785,1257.09 h75 r90
  text "SB2" at 1210,1241.09 h75 r90
  text "SB4" at 1316,1241.09 h75 r90
  text "SB1" at 1422,1241.09 h75 r90
  text "SB3" at 1528,1241.09 h75 r90
  text "SB5" at 3361,1241.09 h75 r90
  text "SB6" at 3467,1241.09 h75 r90
  text "SB7" at 3573,1241.09 h75 r90
  text "SB8" at 3679,1241.09 h75 r90
  text "Short" at 1112,1219.28 h78.5 r90
  text "Short" at 2839,1219.28 h78.5 r90
  text "GPIO" at 3766,977.09 h70 r90
  text "GPIO" at 2316.73,974.69 h70 r90
  text "GPIO" at 1433.72,974.09 h70 r90
  text "GPIO" at 1927.72,974.09 h70 r90
  text "*" at 3017.45,974.09 h100 r90
  text "*" at 3635.45,974.09 h100 r90
  text "IF MCU" at 1641,950.59 h70 r90
  text "PIN" at 2039.28,887.69 h70 r90
  text "HW" at 1112,879.28 h78.5 r90
  text "HW" at 2839,879.28 h78.5 r90
  text "SB1x" at 1836,850.09 h50 r90
  text "SB2x" at 1770,841.09 h50 r90
  text "VDD" at 3395,785.09 h70 r90
  text "NFC" at 2160.28,771.69 h70 r90
  text "PIN" at 1256.22,755.09 h70 r90
  text "PIN" at 1927.72,755.09 h70 r90
  text "PIN" at 3766.22,755.01 h70 r90
  text "mbed.org" at 590,671 h70 r90
  text "I/O EXPANDER" at 2839,639.28 h78.5 r90
  text "(" at 2978,636.09 h120 r90
  text "PIN" at 3374,636.34 h70 r90
  text "P0.03 (A0)" at 2015,630 h65 r90
  text "P0.04 (A1)" at 2115,629.6 h65 r90
  text "P0.28 (A2)" at 2215,629.6 h65 r90
  text "P0.29 (A3)" at 2315,629.6 h65 r90
  text "P0.31 (A5)" at 2515,630.28 h65 r90
  text "P0.30 (A4)" at 2414.75,628.92 h65 r90
  text "RESET" at 1319.75,561.47 h65 r90
  text ")" at 2978,516.09 h120 r90
  text "GND" at 1716.75,515.45 h65 r90
  text "GND" at 1619.75,509.45 h65 r90
  text "N.C." at 1821.75,509.45 h70 r90
  text "VDD" at 1120,506.28 h65 r90
  text "VDD" at 1220,506.28 h65 r90
  text "VDD" at 1420,506.28 h65 r90
  text "nRF" at 3583,496.09 h80 r90
  text "5V" at 1521,465.28 h65 r90
  text "*" at 2958,459.09 h100 r90
  text "EXP" at 3328,436.09 h60 r90
  text "(" at 2978,396.09 h120 r90
  text "I2C" at 3438,366.09 h70 r90
  text "DETECT" at 3178,336.09 h70 r90
  text ")" at 2978,236.09 h120 r90
Mechanical 1:
  the board outline again, w10
Mechanical 7:
  circle w3.94: c2600,1600 r62.99
  circle w3.94: c2600,500 r62.99
  circle w3.94: c600,2200 r62.99
  circle w3.94: c3800,300 r62.99
  circle w3.94: c550,300 r62.99

## Dimensions
3860,2459.6 to 3949.58,2549.18 on Mechanical 3
3861,-0.4 to 600,2199.6 on Mechanical 3
3861,-0.4 to 2600,1599.6 on Mechanical 3
3861,-0.4 to 2600,499.6 on Mechanical 3
3861,-0.4 to 3800,299.6 on Mechanical 3
3861,-0.4 to 3860,2499.6 on Mechanical 3
0,39.6 to 3800,299.6 on Mechanical 3
0,39.6 to 2600,499.6 on Mechanical 3
0,39.6 to 600,2199.6 on Mechanical 3
0,39.6 to 550,299.6 on Mechanical 3
0,39.6 to 4000,399.6 on Mechanical 3
0,39.6 to 3900,299.6 on Mechanical 3

## Text inside footprints (layer, text, board x,y; h text height)
LD5: Top Overlay "-" at 861.61,971.24 h30 r180; Top Overlay "+" at 861.61,847.22 h30 r180
P18: Top Overlay "1" at 2507,956 h40
P19: Top Overlay "1" at 328.2,2044.3 h40 r90